# Altium PCB MatrixLantern.PcbDoc (part 1 of 2) (continued)
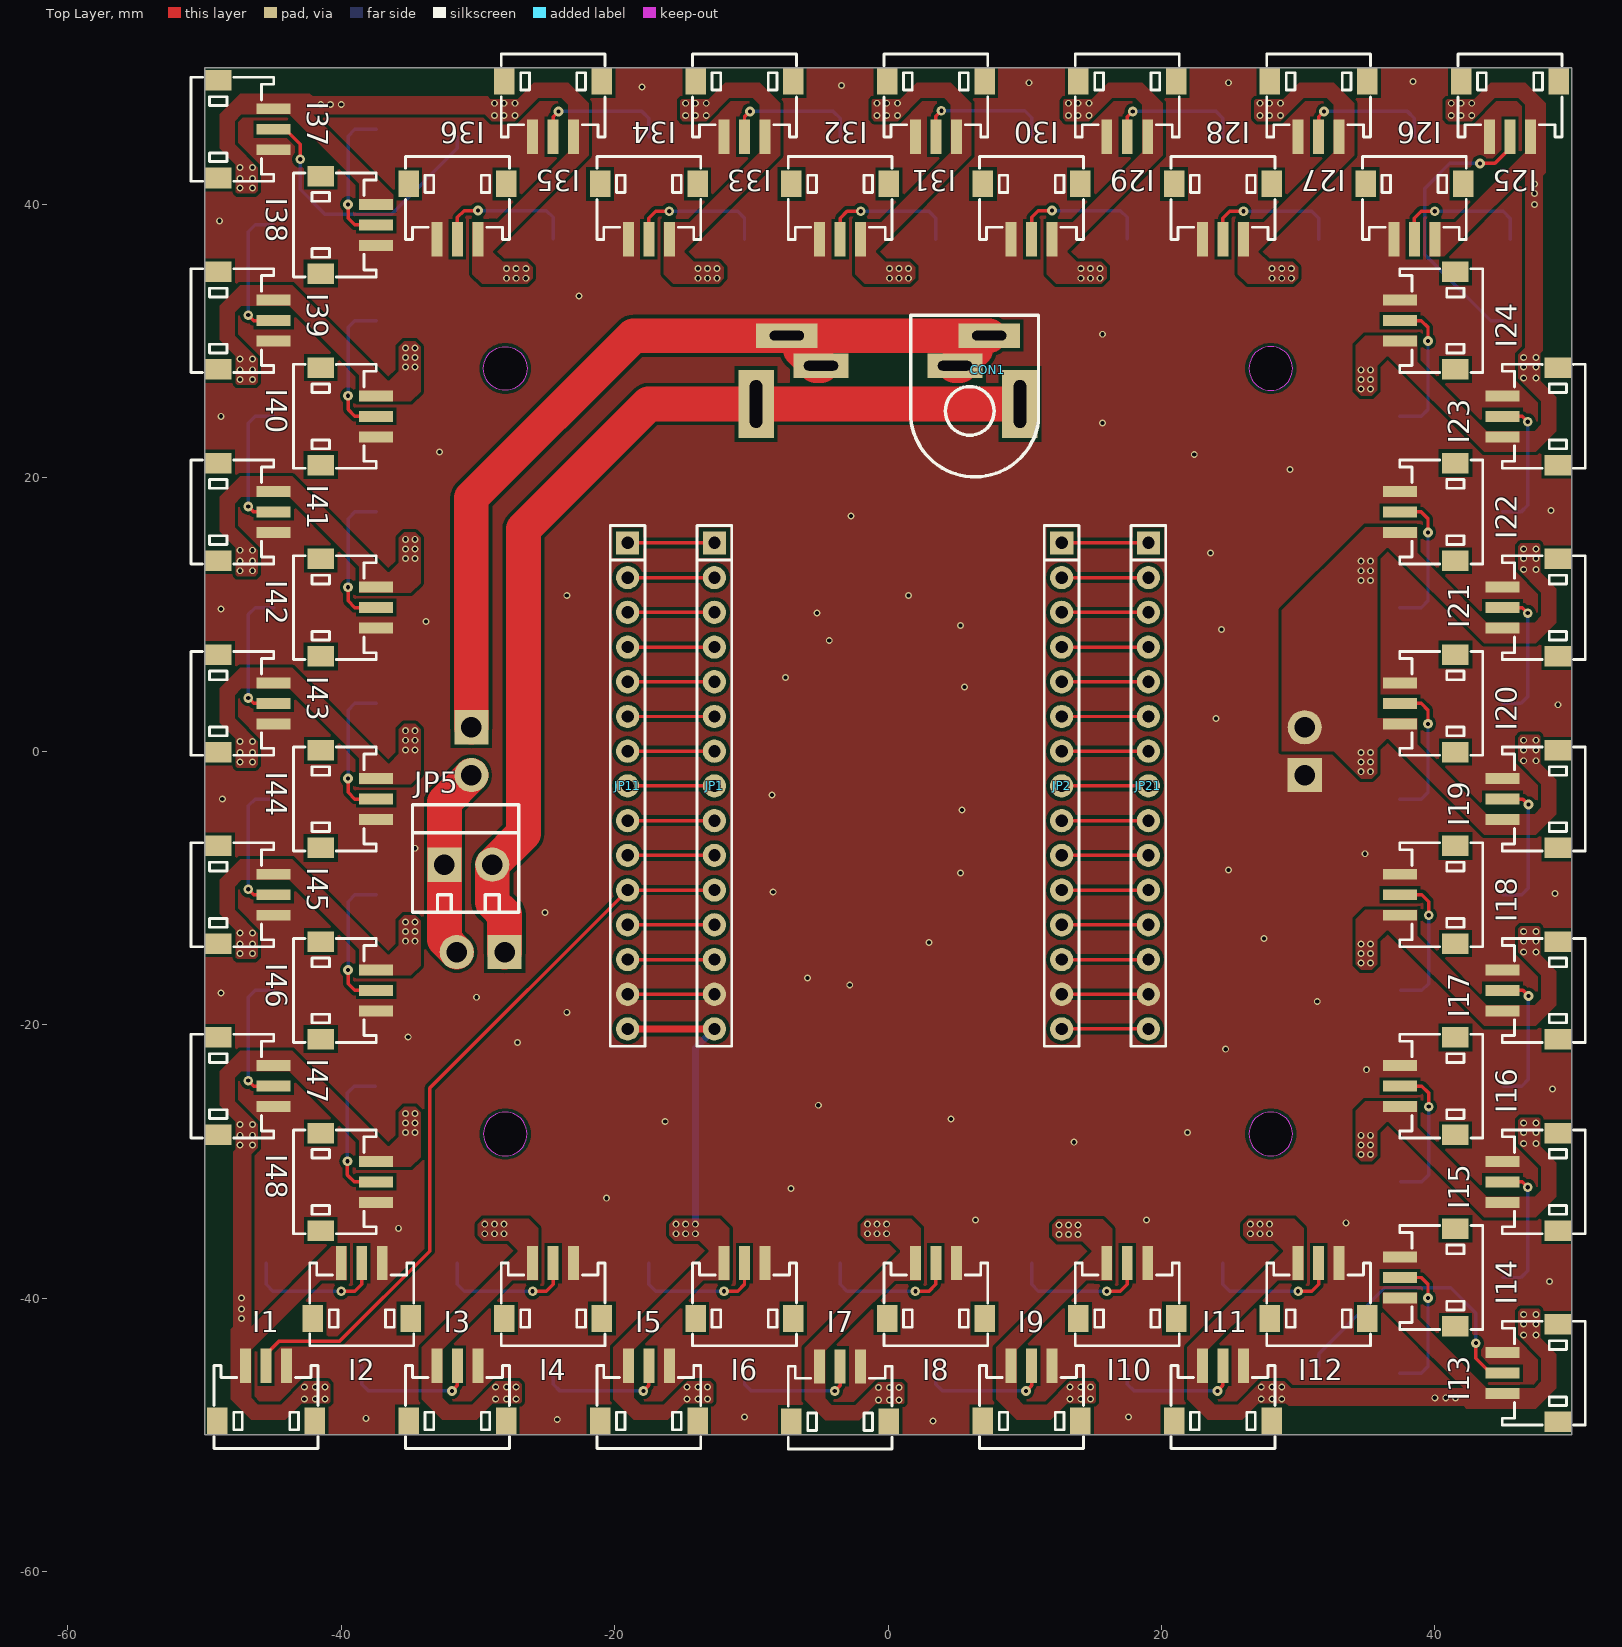
[diagram p0: Top Layer view]
## Nets (pads, with @x,y where several pads share a name; then routed paths per layer and width w, separated by ;. In a path a pad name is that pad's centre, name@x,y a point inside that pad or via, vN(x,y) a via of type N, cw(c..) or ccw(c..) an arc to the next point about the centre after c; other vN are vias at no path point) (continued)
  Bottom Layer w0.254: v2(-46.8,-10.1) -46.8,-4 -46.3,-3.5 O44.2@-44.95,-3.5
IN46: I46.2 O45.2 | length 10.5
  Top Layer w0.254: v2(-39.5,-16) -39.5,-17 -39,-17.5 I46.2@-37.45,-17.5
  Bottom Layer w0.254: v2(-39.5,-16) -39.5,-11 -39,-10.5 O45.2@-37.45,-10.5
IN47: I47.2 O46.2 | length 10.2
  Top Layer w0.254: v2(-46.8,-24.1) -46.4,-24.5 I47.2@-44.95,-24.5
  Bottom Layer w0.254: v2(-46.8,-24.1) -46.8,-18 -46.3,-17.5 O46.2@-44.95,-17.5
IN48: I48.2 O47.2 | length 10.5
  Top Layer w0.254: v2(-39.55,-30) -39.55,-31 -39.05,-31.5 I48.2@-37.5,-31.5
  Bottom Layer w0.254: v2(-39.55,-30) -39.55,-25 -39.05,-24.5 O47.2@-37.5,-24.5
NetJP1_1: JP1.1 JP11.1 | length 6.3
  Top Layer w0.254: JP11.1@-19.05,15.24 JP1.1@-12.7,15.24
NetJP1_2: JP1.2 JP11.2 | length 6.3
  Top Layer w0.254: JP11.2@-19.05,12.7 JP1.2@-12.7,12.7
NetJP1_3: JP1.3 JP11.3 | length 6.3
  Top Layer w0.254: JP11.3@-19.05,10.16 JP1.3@-12.7,10.16
NetJP1_4: JP1.4 JP11.4 | length 6.3
  Top Layer w0.254: JP11.4@-19.05,7.62 JP1.4@-12.7,7.62
NetJP1_5: JP1.5 JP11.5 | length 6.3
  Top Layer w0.254: JP11.5@-19.05,5.08 JP1.5@-12.7,5.08
NetJP1_6: JP1.6 JP11.6 | length 6.3
  Top Layer w0.254: JP11.6@-19.05,2.54 JP1.6@-12.7,2.54
NetJP1_7: JP1.7 JP11.7 | length 6.3
  Top Layer w0.254: JP11.7@-19.05,0 JP1.7@-12.7,0
NetJP1_8: JP1.8 JP11.8 | length 6.3
  Top Layer w0.254: JP11.8@-19.05,-2.54 JP1.8@-12.7,-2.54
NetJP1_9: JP1.9 JP11.9 | length 6.3
  Top Layer w0.254: JP11.9@-19.05,-5.08 JP1.9@-12.7,-5.08
NetJP1_10: JP1.10 JP11.10 | length 6.3
  Top Layer w0.254: JP11.10@-19.05,-7.62 JP1.10@-12.7,-7.62
NetJP1_12: JP1.12 JP11.12 | length 6.3
  Top Layer w0.254: JP11.12@-19.05,-12.7 JP1.12@-12.7,-12.7
NetJP1_13: JP1.13 JP11.13 | length 6.3
  Top Layer w0.254: JP11.13@-19.05,-15.24 JP1.13@-12.7,-15.24
NetJP2_1: JP2.1 JP21.1 | length 6.3
  Top Layer w0.254: JP2.1@12.7,15.24 JP21.1@19.05,15.24
NetJP2_2: JP2.2 JP21.2 | length 6.3
  Top Layer w0.254: JP2.2@12.7,12.7 JP21.2@19.05,12.7
NetJP2_3: JP2.3 JP21.3 | length 6.3
  Top Layer w0.254: JP2.3@12.7,10.16 JP21.3@19.05,10.16
NetJP2_4: JP2.4 JP21.4 | length 6.3
  Top Layer w0.254: JP2.4@12.7,7.62 JP21.4@19.05,7.62
NetJP2_5: JP2.5 JP21.5 | length 6.3
  Top Layer w0.254: JP2.5@12.7,5.08 JP21.5@19.05,5.08
NetJP2_6: JP2.6 JP21.6 | length 6.3
  Top Layer w0.254: JP2.6@12.7,2.54 JP21.6@19.05,2.54
NetJP2_7: JP2.7 JP21.7 | length 6.3
  Top Layer w0.254: JP2.7@12.7,0 JP21.7@19.05,0
NetJP2_8: JP2.8 JP21.8 | length 6.3
  Top Layer w0.254: JP2.8@12.7,-2.54 JP21.8@19.05,-2.54
NetJP2_9: JP2.9 JP21.9 | length 6.3
  Top Layer w0.254: JP2.9@12.7,-5.08 JP21.9@19.05,-5.08
NetJP2_10: JP2.10 JP21.10 | length 6.3
  Top Layer w0.254: JP2.10@12.7,-7.62 JP21.10@19.05,-7.62
NetJP2_11: JP2.11 JP21.11 | length 6.3
  Top Layer w0.254: JP2.11@12.7,-10.16 JP21.11@19.05,-10.16
NetJP2_12: JP2.12 JP21.12 | length 6.3
  Top Layer w0.254: JP2.12@12.7,-12.7 JP21.12@19.05,-12.7
NetJP2_13: JP2.13 JP21.13 | length 6.3
  Top Layer w0.254: JP2.13@12.7,-15.24 JP21.13@19.05,-15.24
NetJP2_15: JP2.15 JP21.15 | length 6.3
  Top Layer w0.254: JP2.15@12.7,-20.32 JP21.15@19.05,-20.32
NetJP3_2: JP3.2 JP5.1 JP6.2 | length 14.1
  Top Layer w2.54: JP6.2@-31.55,-14.7 -32.45,-13.8 JP5.1@-32.45,-8.3 -32.45,-3.72 JP3.2@-30.48,-1.75
Vin: I1.1 I2.1 I3.1 I4.1 I5.1 I6.1 I7.1 I8.1 I9.1 I10.1 I11.1 I12.1 I13.1 I14.1 I15.1 I16.1 I17.1 I18.1 I19.1 I20.1 I21.1 I22.1 I23.1 I24.1 I25.1 I26.1 I27.1 I28.1 I29.1 I30.1 I31.1 I32.1 I33.1 I34.1 I35.1 I36.1 I37.1 I38.1 I39.1 I40.1 I41.1 I42.1 I43.1 I44.1 I45.1 I46.1 I47.1 I48.1 JP1.15 JP4.2 JP11.15 O1.3 O2.3 O3.3 O4.3 O5.3 O6.3 O7.3 O8.3 O9.3 O10.3 O11.3 O12.3 O13.3 O14.3 O15.3 O16.3 O17.3 O18.3 O19.3 O20.3 O21.3 O22.3 O23.3 O24.3 O25.3 O26.3 O27.3 O28.3 O29.3 O30.3 O31.3 O32.3 O33.3 O34.3 O35.3 O36.3 O37.3 O38.3 O39.3 O40.3 O41.3 O42.3 O43.3 O44.3 O45.3 O46.3 O47.3 O48.3 | length 21.2
  Top Layer w0.508: JP11.15@-19.05,-20.32 JP1.15@-12.7,-20.32
  Bottom Layer w0.508: v1(-14.1,-34.6) -14.1,-21.72 JP1.15@-12.7,-20.32
  other v1: -0.7,-47.45 0.1,-47.45 0.8,-47.45 -42.7,-47.4 -41.9,-47.4 -41.2,-47.4 -28.7,-47.4 -27.9,-47.4 -27.2,-47.4 -14.7,-47.4 -13.9,-47.4 -13.2,-47.4 13.3,-47.4 14.1,-47.4 14.8,-47.4 27.3,-47.4 28.1,-47.4 28.8,-47.4 40,-47.3 40.8,-47.3 41.5,-47.3 -0.7,-46.55 0.1,-46.55 0.8,-46.55 -42.7,-46.5 -41.9,-46.5 -41.2,-46.5 -28.7,-46.5 -27.9,-46.5 -27.2,-46.5 -14.7,-46.5 -13.9,-46.5 -13.2,-46.5 13.3,-46.5 14.1,-46.5 14.8,-46.5 27.3,-46.5 28.1,-46.5 28.8,-46.5 46.5,-42.7 47.4,-42.7 46.5,-41.9 47.4,-41.9 -47.3,-41.5 46.5,-41.2 47.4,-41.2 -47.3,-40.8 -47.3,-40 12.5,-35.35 13.2,-35.35 13.9,-35.35 -29.5,-35.3 -28.8,-35.3 -28.1,-35.3 -15.5,-35.3 -14.8,-35.3 -14.1,-35.3 -1.5,-35.3 -0.8,-35.3 -0.1,-35.3 26.5,-35.3 27.2,-35.3 27.9,-35.3 12.5,-34.65 13.2,-34.65 13.9,-34.65 -29.5,-34.6 -28.8,-34.6 -28.1,-34.6 -15.5,-34.6 -14.8,-34.6 -1.5,-34.6 -0.8,-34.6 -0.1,-34.6 26.5,-34.6 27.2,-34.6 27.9,-34.6 34.6,-29.5 35.3,-29.5 -47.4,-28.8 -46.5,-28.8 34.6,-28.8 35.3,-28.8 46.5,-28.7 47.4,-28.7 -47.4,-28.1 -46.5,-28.1 34.6,-28.1 35.3,-28.1 -35.3,-27.9 -34.6,-27.9 46.5,-27.9 47.4,-27.9 -47.4,-27.3 -46.5,-27.3 -35.3,-27.2 -34.6,-27.2 46.5,-27.2 47.4,-27.2 -35.3,-26.5 -34.6,-26.5 34.6,-15.5 35.3,-15.5 -47.4,-14.8 -46.5,-14.8 34.6,-14.8 35.3,-14.8 46.5,-14.7 47.4,-14.7 -47.4,-14.1 -46.5,-14.1 34.6,-14.1 35.3,-14.1 -35.3,-13.9 -34.6,-13.9 46.5,-13.9 47.4,-13.9 -47.4,-13.3 -46.5,-13.3 -35.3,-13.2 -34.6,-13.2 46.5,-13.2 47.4,-13.2 -35.3,-12.5 -34.6,-12.5 34.6,-1.5 35.3,-1.5 -47.4,-0.8 -46.5,-0.8 34.6,-0.8 35.3,-0.8 46.5,-0.7 47.4,-0.7 -47.4,-0.1 -46.5,-0.1 34.6,-0.1 35.3,-0.1 -35.3,0.1 -34.6,0.1 46.5,0.1 47.4,0.1 -47.4,0.7 -46.5,0.7 -35.3,0.8 -34.6,0.8 46.5,0.8 47.4,0.8 -35.3,1.5 -34.6,1.5 34.6,12.5 35.3,12.5 -47.4,13.2 -46.5,13.2 34.6,13.2 35.3,13.2 46.5,13.3 47.4,13.3 -47.4,13.9 -46.5,13.9 34.6,13.9 35.3,13.9 -35.3,14.1 -34.6,14.1 46.5,14.1 47.4,14.1 -47.4,14.7 -46.5,14.7 -35.3,14.8 -34.6,14.8 46.5,14.8 47.4,14.8 -35.3,15.5 -34.6,15.5 34.6,26.5 35.3,26.5 -47.4,27.2 -46.5,27.2 34.6,27.2 35.3,27.2 46.5,27.3 47.4,27.3 -47.4,27.9 -46.5,27.9 34.6,27.9 35.3,27.9 -35.3,28.1 -34.6,28.1 46.5,28.1 47.4,28.1 -47.4,28.7 -46.5,28.7 -35.3,28.8 -34.6,28.8 46.5,28.8 47.4,28.8 -35.3,29.5 -34.6,29.5 -27.9,34.6 -27.2,34.6 -26.5,34.6 -13.9,34.6 -13.2,34.6 -12.5,34.6 0.1,34.6 0.8,34.6 1.5,34.6 14.1,34.6 14.8,34.6 15.5,34.6 28.1,34.6 28.8,34.6 29.5,34.6 -27.9,35.3 -27.2,35.3 -26.5,35.3 -13.9,35.3 -13.2,35.3 -12.5,35.3 0.1,35.3 0.8,35.3 1.5,35.3 14.1,35.3 14.8,35.3 15.5,35.3 28.1,35.3 28.8,35.3 29.5,35.3 47.3,40 47.3,40.8 -47.4,41.2 -46.5,41.2 47.3,41.5 -47.4,41.9 -46.5,41.9 -47.4,42.7 -46.5,42.7 -28.8,46.5 -28.1,46.5 -27.3,46.5 -14.8,46.5 -14.1,46.5 -13.3,46.5 -0.8,46.5 -0.1,46.5 0.7,46.5 13.2,46.5 13.9,46.5 14.7,46.5 27.2,46.5 27.9,46.5 28.7,46.5 41.2,46.5 41.9,46.5 42.7,46.5 -41.5,47.3 -40.8,47.3 -40,47.3 -28.8,47.4 -28.1,47.4 -27.3,47.4 -14.8,47.4 -14.1,47.4 -13.3,47.4 -0.8,47.4 -0.1,47.4 0.7,47.4 13.2,47.4 13.9,47.4 14.7,47.4 27.2,47.4 27.9,47.4 28.7,47.4 41.2,47.4 41.9,47.4 42.7,47.4
pads on no net: I1.0 I2.0 I3.0 I4.0 I5.0 I6.0 I7.0 I8.0 I9.0 I10.0 I11.0 I12.0 I13.0 I14.0 I15.0 I16.0 I17.0 I18.0 I19.0 I20.0 I21.0 I22.0 I23.0 I24.0 I25.0 I26.0 I27.0 I28.0 I29.0 I30.0 I31.0 I32.0 I33.0 I34.0 I35.0 I36.0 I37.0 I38.0 I39.0 I40.0 I41.0 I42.0 I43.0 I44.0 I45.0 I46.0 I47.0 I48.0 O1.0 O2.0 O3.0 O4.0 O5.0 O6.0 O7.0 O8.0 O9.0 O10.0 O11.0 O12.0 O13.0 O14.0 O15.0 O16.0 O17.0 O18.0 O19.0 O20.0 O21.0 O22.0 O23.0 O24.0 O25.0 O26.0 O27.0 O28.0 O29.0 O30.0 O31.0 O32.0 O33.0 O34.0 O35.0 O36.0 O37.0 O38.0 O39.0 O40.0 O41.0 O42.0 O43.0 O44.0 O45.0 O46.0 O47.0 O48.0 O48.2

## Polygon pours and split planes (outlines as drawn)
GND on Top Layer "GND_L01_P805" (solid, remove dead copper, pour order 805): -50,-50 -50,50 50,50 50,-50
Vin on Top Layer "Top Layer-Vin 76" (solid, pour order 803): 28.8,0 28.8,10.3 34.9,16.4 35.8,15.5 35.8,-1.6 35.4,-2 34.6,-2 32.6,0
Vin on Top Layer "Top Layer-Vin 50" (solid, pour order 600): 36.2,2.4 36.2,1.3 43.6,-6.1 46.2,-6.1 46.2,-4.6 43.8,-4.6 38.7,0.5 38.7,2.4
Vin on Top Layer "Top Layer-Vin 53" (solid, pour order 586): 38.7,2.4 34.9,2.4 34.2,1.7 34.2,-1.6 34.6,-2 35.4,-2 35.8,-1.6 35.8,0.2 36.5,0.9 38.4,0.9 38.7,1.2
Vin on Top Layer "Top Layer-Vin" (solid, pour order 598): 38.7,16.4 34.9,16.4 34.2,15.7 34.2,12.4 34.6,12 35.4,12 35.8,12.4 35.8,14.2 36.5,14.9 38.4,14.9 38.7,15.2
Vin on Top Layer "Top Layer-Vin 1" (solid, pour order 798): -46.2,-29.1 -46.6,-29.5 -46.6,-39.7 -47.9,-39.7 -47.9,-29.3 -47.7,-29.1
Vin on Top Layer "Top Layer-Vin 2" (solid, pour order 796): -29.1,46.2 -29.5,46.6 -39.7,46.6 -39.7,47.9 -29.3,47.9 -29.1,47.7
Vin on Top Layer "Top Layer-Vin 3" (solid, pour order 794): 46.2,29.1 46.6,29.5 46.6,39.7 47.9,39.7 47.9,29.3 47.7,29.1
Vin on Top Layer "Top Layer-Vin 4" (solid, pour order 792): 29.1,-46.2 29.5,-46.6 39.7,-46.6 39.7,-47.9 29.3,-47.9 29.1,-47.7
Vin on Top Layer "Top Layer-Vin 5" (solid, pour order 786): -43.7,-23.4 -47.3,-23.4 -47.8,-23.9 -47.8,-25.6 -46.1,-27.3 -46.1,-29 -46.3,-29.2 -47.6,-29.2 -47.7,-29.1 -47.7,-27.1 -48.9,-25.9 -48.9,-23.4 -47.4,-21.9 -43.7,-21.9 -43.7,-22.6
Vin on Top Layer "Top Layer-Vin 6" (solid, pour order 784): -36.2,-30.4 -36.2,-29.3 -43.6,-21.9 -46.2,-21.9 -46.2,-23.4 -43.8,-23.4 -38.7,-28.5 -38.7,-30.4
Vin on Top Layer "Top Layer-Vin 7" (solid, pour order 780): -23.4,43.7 -23.4,47.3 -23.9,47.8 -25.6,47.8 -27.3,46.1 -29,46.1 -29.2,46.3 -29.2,47.6 -29.1,47.7 -27.1,47.7 -25.9,48.9 -23.4,48.9 -21.9,47.4 -21.9,43.7 -22.6,43.7
Vin on Top Layer "Top Layer-Vin 8" (solid, pour order 778): -30.4,36.2 -29.3,36.2 -21.9,43.6 -21.9,46.2 -23.4,46.2 -23.4,43.8 -28.5,38.7 -30.4,38.7
Vin on Top Layer "Top Layer-Vin 9" (solid, pour order 774): 43.7,23.4 47.3,23.4 47.8,23.9 47.8,25.6 46.1,27.3 46.1,29 46.3,29.2 47.6,29.2 47.7,29.1 47.7,27.1 48.9,25.9 48.9,23.4 47.4,21.9 43.7,21.9 43.7,22.6
Vin on Top Layer "Top Layer-Vin 10" (solid, pour order 772): 36.2,30.4 36.2,29.3 43.6,21.9 46.2,21.9 46.2,23.4 43.8,23.4 38.7,28.5 38.7,30.4
Vin on Top Layer "Top Layer-Vin 11" (solid, pour order 768): 23.4,-43.7 23.4,-47.3 23.9,-47.8 25.6,-47.8 27.3,-46.1 29,-46.1 29.2,-46.3 29.2,-47.6 29.1,-47.7 27.1,-47.7 25.9,-48.9 23.4,-48.9 21.9,-47.4 21.9,-43.7 22.6,-43.7
Vin on Top Layer "Top Layer-Vin 12" (solid, pour order 766): 30.4,-36.2 29.3,-36.2 21.9,-43.6 21.9,-46.2 23.4,-46.2 23.4,-43.8 28.5,-38.7 30.4,-38.7
Vin on Top Layer "Top Layer-Vin 13" (solid, pour order 756): -42.3,48.1 -42.1,47.9 -41.9,47.9 -39.7,47.9 -39.5,47.7 -39.5,46.8 -39.7,46.6 -43.7,46.6 -43.7,48.1
Vin on Top Layer "Top Layer-Vin 14" (solid, pour order 752): 48.1,42.3 47.9,42.1 47.9,41.9 47.9,39.7 47.7,39.5 46.8,39.5 46.6,39.7 46.6,43.7 48.1,43.7
Vin on Top Layer "Top Layer-Vin 15" (solid, pour order 748): 42.3,-48.1 42.1,-47.9 41.9,-47.9 39.7,-47.9 39.5,-47.7 39.5,-46.8 39.7,-46.6 43.7,-46.6 43.7,-48.1
Vin on Top Layer "Top Layer-Vin 16" (solid, pour order 744): -48.1,-42.3 -47.9,-42.1 -47.9,-41.9 -47.9,-39.7 -47.7,-39.5 -46.8,-39.5 -46.6,-39.7 -46.6,-43.7 -48.1,-43.7
Vin on Top Layer "Top Layer-Vin 17" (solid, pour order 732): -36.2,-16.4 -36.2,-15.3 -43.6,-7.9 -46.2,-7.9 -46.2,-9.4 -43.8,-9.4 -38.7,-14.5 -38.7,-16.4
Vin on Top Layer "Top Layer-Vin 18" (solid, pour order 730): -38.7,-30.4 -34.9,-30.4 -34.2,-29.7 -34.2,-26.4 -34.6,-26 -35.4,-26 -35.8,-26.4 -35.8,-28.2 -36.5,-28.9 -38.4,-28.9 -38.7,-29.2
Vin on Top Layer "Top Layer-Vin 19" (solid, pour order 728): -43.7,-9.4 -47.3,-9.4 -47.8,-9.9 -47.8,-11.6 -46.1,-13.3 -46.1,-15 -46.3,-15.2 -47.6,-15.2 -47.7,-15.1 -47.7,-13.1 -48.9,-11.9 -48.9,-9.4 -47.4,-7.9 -43.7,-7.9 -43.7,-8.6
Vin on Top Layer "Top Layer-Vin 20" (solid, pour order 720): -36.2,-2.4 -36.2,-1.3 -43.6,6.1 -46.2,6.1 -46.2,4.6 -43.8,4.6 -38.7,-0.5 -38.7,-2.4
Vin on Top Layer "Top Layer-Vin 21" (solid, pour order 718): -38.7,-16.4 -34.9,-16.4 -34.2,-15.7 -34.2,-12.4 -34.6,-12 -35.4,-12 -35.8,-12.4 -35.8,-14.2 -36.5,-14.9 -38.4,-14.9 -38.7,-15.2
Vin on Top Layer "Top Layer-Vin 22" (solid, pour order 716): -43.7,4.6 -47.3,4.6 -47.8,4.1 -47.8,2.4 -46.1,0.7 -46.1,-1 -46.3,-1.2 -47.6,-1.2 -47.7,-1.1 -47.7,0.9 -48.9,2.1 -48.9,4.6 -47.4,6.1 -43.7,6.1 -43.7,5.4
Vin on Top Layer "Top Layer-Vin 23" (solid, pour order 708): -36.2,11.6 -36.2,12.7 -43.6,20.1 -46.2,20.1 -46.2,18.6 -43.8,18.6 -38.7,13.5 -38.7,11.6
Vin on Top Layer "Top Layer-Vin 24" (solid, pour order 706): -38.7,-2.4 -34.9,-2.4 -34.2,-1.7 -34.2,1.6 -34.6,2 -35.4,2 -35.8,1.6 -35.8,-0.2 -36.5,-0.9 -38.4,-0.9 -38.7,-1.2
Vin on Top Layer "Top Layer-Vin 25" (solid, pour order 704): -43.7,18.6 -47.3,18.6 -47.8,18.1 -47.8,16.4 -46.1,14.7 -46.1,13 -46.3,12.8 -47.6,12.8 -47.7,12.9 -47.7,14.9 -48.9,16.1 -48.9,18.6 -47.4,20.1 -43.7,20.1 -43.7,19.4
Vin on Top Layer "Top Layer-Vin 26" (solid, pour order 696): -36.2,25.6 -36.2,26.7 -43.6,34.1 -46.2,34.1 -46.2,32.6 -43.8,32.6 -38.7,27.5 -38.7,25.6
Vin on Top Layer "Top Layer-Vin 27" (solid, pour order 694): -38.7,11.6 -34.9,11.6 -34.2,12.3 -34.2,15.6 -34.6,16 -35.4,16 -35.8,15.6 -35.8,13.8 -36.5,13.1 -38.4,13.1 -38.7,12.8
Vin on Top Layer "Top Layer-Vin 28" (solid, pour order 692): -43.7,32.6 -47.3,32.6 -47.8,32.1 -47.8,30.4 -46.1,28.7 -46.1,27 -46.3,26.8 -47.6,26.8 -47.7,26.9 -47.7,28.9 -48.9,30.1 -48.9,32.6 -47.4,34.1 -43.7,34.1 -43.7,33.4
Vin on Top Layer "Top Layer-Vin 29" (solid, pour order 684): -36.2,39.6 -36.2,40.7 -43.6,48.1 -46.2,48.1 -46.2,46.6 -43.8,46.6 -38.7,41.5 -38.7,39.6
Vin on Top Layer "Top Layer-Vin 30" (solid, pour order 682): -38.7,25.6 -34.9,25.6 -34.2,26.3 -34.2,29.6 -34.6,30 -35.4,30 -35.8,29.6 -35.8,27.8 -36.5,27.1 -38.4,27.1 -38.7,26.8
Vin on Top Layer "Top Layer-Vin 31" (solid, pour order 680): -43.7,46.6 -47.3,46.6 -47.8,46.1 -47.8,44.4 -46.1,42.7 -46.1,41 -46.3,40.8 -47.6,40.8 -47.7,40.9 -47.7,42.9 -48.9,44.1 -48.9,46.6 -47.4,48.1 -43.7,48.1 -43.7,47.4
Vin on Top Layer "Top Layer-Vin 32" (solid, pour order 672): -16.4,36.2 -15.3,36.2 -7.9,43.6 -7.9,46.2 -9.4,46.2 -9.4,43.8 -14.5,38.7 -16.4,38.7
Vin on Top Layer "Top Layer-Vin 33" (solid, pour order 670): -30.4,38.7 -30.4,34.9 -29.7,34.2 -26.4,34.2 -26,34.6 -26,35.4 -26.4,35.8 -28.2,35.8 -28.9,36.5 -28.9,38.4 -29.2,38.7
Vin on Top Layer "Top Layer-Vin 34" (solid, pour order 668): -9.4,43.7 -9.4,47.3 -9.9,47.8 -11.6,47.8 -13.3,46.1 -15,46.1 -15.2,46.3 -15.2,47.6 -15.1,47.7 -13.1,47.7 -11.9,48.9 -9.4,48.9 -7.9,47.4 -7.9,43.7 -8.6,43.7
Vin on Top Layer "Top Layer-Vin 35" (solid, pour order 660): -2.4,36.2 -1.3,36.2 6.1,43.6 6.1,46.2 4.6,46.2 4.6,43.8 -0.5,38.7 -2.4,38.7
Vin on Top Layer "Top Layer-Vin 36" (solid, pour order 658): -16.4,38.7 -16.4,34.9 -15.7,34.2 -12.4,34.2 -12,34.6 -12,35.4 -12.4,35.8 -14.2,35.8 -14.9,36.5 -14.9,38.4 -15.2,38.7
Vin on Top Layer "Top Layer-Vin 37" (solid, pour order 656): 4.6,43.7 4.6,47.3 4.1,47.8 2.4,47.8 0.7,46.1 -1,46.1 -1.2,46.3 -1.2,47.6 -1.1,47.7 0.9,47.7 2.1,48.9 4.6,48.9 6.1,47.4 6.1,43.7 5.4,43.7
Vin on Top Layer "Top Layer-Vin 38" (solid, pour order 648): 11.6,36.2 12.7,36.2 20.1,43.6 20.1,46.2 18.6,46.2 18.6,43.8 13.5,38.7 11.6,38.7
Vin on Top Layer "Top Layer-Vin 39" (solid, pour order 646): -2.4,38.7 -2.4,34.9 -1.7,34.2 1.6,34.2 2,34.6 2,35.4 1.6,35.8 -0.2,35.8 -0.9,36.5 -0.9,38.4 -1.2,38.7
Vin on Top Layer "Top Layer-Vin 40" (solid, pour order 644): 18.6,43.7 18.6,47.3 18.1,47.8 16.4,47.8 14.7,46.1 13,46.1 12.8,46.3 12.8,47.6 12.9,47.7 14.9,47.7 16.1,48.9 18.6,48.9 20.1,47.4 20.1,43.7 19.4,43.7
Vin on Top Layer "Top Layer-Vin 41" (solid, pour order 636): 25.6,36.2 26.7,36.2 34.1,43.6 34.1,46.2 32.6,46.2 32.6,43.8 27.5,38.7 25.6,38.7
Vin on Top Layer "Top Layer-Vin 42" (solid, pour order 634): 11.6,38.7 11.6,34.9 12.3,34.2 15.6,34.2 16,34.6 16,35.4 15.6,35.8 13.8,35.8 13.1,36.5 13.1,38.4 12.8,38.7
Vin on Top Layer "Top Layer-Vin 43" (solid, pour order 632): 32.6,43.7 32.6,47.3 32.1,47.8 30.4,47.8 28.7,46.1 27,46.1 26.8,46.3 26.8,47.6 26.9,47.7 28.9,47.7 30.1,48.9 32.6,48.9 34.1,47.4 34.1,43.7 33.4,43.7
Vin on Top Layer "Top Layer-Vin 44" (solid, pour order 624): 39.6,36.2 40.7,36.2 48.1,43.6 48.1,46.2 46.6,46.2 46.6,43.8 41.5,38.7 39.6,38.7
Vin on Top Layer "Top Layer-Vin 45" (solid, pour order 622): 25.6,38.7 25.6,34.9 26.3,34.2 29.6,34.2 30,34.6 30,35.4 29.6,35.8 27.8,35.8 27.1,36.5 27.1,38.4 26.8,38.7
Vin on Top Layer "Top Layer-Vin 46" (solid, pour order 620): 46.6,43.7 46.6,47.3 46.1,47.8 44.4,47.8 42.7,46.1 41,46.1 40.8,46.3 40.8,47.6 40.9,47.7 42.9,47.7 44.1,48.9 46.6,48.9 48.1,47.4 48.1,43.7 47.4,43.7
Vin on Top Layer "Top Layer-Vin 47" (solid, pour order 612): 36.2,16.4 36.2,15.3 43.6,7.9 46.2,7.9 46.2,9.4 43.8,9.4 38.7,14.5 38.7,16.4
Vin on Top Layer "Top Layer-Vin 48" (solid, pour order 610): 38.7,30.4 34.9,30.4 34.2,29.7 34.2,26.4 34.6,26 35.4,26 35.8,26.4 35.8,28.2 36.5,28.9 38.4,28.9 38.7,29.2
Vin on Top Layer "Top Layer-Vin 49" (solid, pour order 608): 43.7,9.4 47.3,9.4 47.8,9.9 47.8,11.6 46.1,13.3 46.1,15 46.3,15.2 47.6,15.2 47.7,15.1 47.7,13.1 48.9,11.9 48.9,9.4 47.4,7.9 43.7,7.9 43.7,8.6
Vin on Top Layer "Top Layer-Vin 51" (solid, pour order 596): 43.7,-4.6 47.3,-4.6 47.8,-4.1 47.8,-2.4 46.1,-0.7 46.1,1 46.3,1.2 47.6,1.2 47.7,1.1 47.7,-0.9 48.9,-2.1 48.9,-4.6 47.4,-6.1 43.7,-6.1 43.7,-5.4
Vin on Top Layer "Top Layer-Vin 52" (solid, pour order 588): 36.2,-11.6 36.2,-12.7 43.6,-20.1 46.2,-20.1 46.2,-18.6 43.8,-18.6 38.7,-13.5 38.7,-11.6
Vin on Top Layer "Top Layer-Vin 54" (solid, pour order 584): 43.7,-18.6 47.3,-18.6 47.8,-18.1 47.8,-16.4 46.1,-14.7 46.1,-13 46.3,-12.8 47.6,-12.8 47.7,-12.9 47.7,-14.9 48.9,-16.1 48.9,-18.6 47.4,-20.1 43.7,-20.1 43.7,-19.4
Vin on Top Layer "Top Layer-Vin 55" (solid, pour order 576): 36.2,-25.6 36.2,-26.7 43.6,-34.1 46.2,-34.1 46.2,-32.6 43.8,-32.6 38.7,-27.5 38.7,-25.6
Vin on Top Layer "Top Layer-Vin 56" (solid, pour order 574): 38.7,-11.6 34.9,-11.6 34.2,-12.3 34.2,-15.6 34.6,-16 35.4,-16 35.8,-15.6 35.8,-13.8 36.5,-13.1 38.4,-13.1 38.7,-12.8
Vin on Top Layer "Top Layer-Vin 57" (solid, pour order 572): 43.7,-32.6 47.3,-32.6 47.8,-32.1 47.8,-30.4 46.1,-28.7 46.1,-27 46.3,-26.8 47.6,-26.8 47.7,-26.9 47.7,-28.9 48.9,-30.1 48.9,-32.6 47.4,-34.1 43.7,-34.1 43.7,-33.4
Vin on Top Layer "Top Layer-Vin 58" (solid, pour order 504): 36.2,-39.6 36.2,-40.7 43.6,-48.1 46.2,-48.1 46.2,-46.6 43.8,-46.6 38.7,-41.5 38.7,-39.6
Vin on Top Layer "Top Layer-Vin 59" (solid, pour order 502): 38.7,-25.6 34.9,-25.6 34.2,-26.3 34.2,-29.6 34.6,-30 35.4,-30 35.8,-29.6 35.8,-27.8 36.5,-27.1 38.4,-27.1 38.7,-26.8
Vin on Top Layer "Top Layer-Vin 60" (solid, pour order 500): 43.7,-46.6 47.3,-46.6 47.8,-46.1 47.8,-44.4 46.1,-42.7 46.1,-41 46.3,-40.8 47.6,-40.8 47.7,-40.9 47.7,-42.9 48.9,-44.1 48.9,-46.6 47.4,-48.1 43.7,-48.1 43.7,-47.4
Vin on Top Layer "Top Layer-Vin 61" (solid, pour order 492): 16.4,-36.2 15.3,-36.2 7.9,-43.6 7.9,-46.2 9.4,-46.2 9.4,-43.8 14.5,-38.7 16.4,-38.7
Vin on Top Layer "Top Layer-Vin 62" (solid, pour order 490): 30.4,-38.7 30.4,-34.9 29.7,-34.2 26.4,-34.2 26,-34.6 26,-35.4 26.4,-35.8 28.2,-35.8 28.9,-36.5 28.9,-38.4 29.2,-38.7
Vin on Top Layer "Top Layer-Vin 63" (solid, pour order 488): 9.4,-43.7 9.4,-47.3 9.9,-47.8 11.6,-47.8 13.3,-46.1 15,-46.1 15.2,-46.3 15.2,-47.6 15.1,-47.7 13.1,-47.7 11.9,-48.9 9.4,-48.9 7.9,-47.4 7.9,-43.7 8.6,-43.7
Vin on Top Layer "Top Layer-Vin 64" (solid, pour order 480): 2.4,-36.25 1.3,-36.25 -6.1,-43.65 -6.1,-46.25 -4.6,-46.25 -4.6,-43.85 0.5,-38.75 2.4,-38.75
Vin on Top Layer "Top Layer-Vin 65" (solid, pour order 478): 16.4,-38.75 16.4,-34.95 15.7,-34.25 12.4,-34.25 12,-34.65 12,-35.45 12.4,-35.85 14.2,-35.85 14.9,-36.55 14.9,-38.45 15.2,-38.75
Vin on Top Layer "Top Layer-Vin 66" (solid, pour order 476): -4.6,-43.75 -4.6,-47.35 -4.1,-47.85 -2.4,-47.85 -0.7,-46.15 1,-46.15 1.2,-46.35 1.2,-47.65 1.1,-47.75 -0.9,-47.75 -2.1,-48.95 -4.6,-48.95 -6.1,-47.45 -6.1,-43.75 -5.4,-43.75
Vin on Top Layer "Top Layer-Vin 67" (solid, pour order 468): -11.6,-36.2 -12.7,-36.2 -20.1,-43.6 -20.1,-46.2 -18.6,-46.2 -18.6,-43.8 -13.5,-38.7 -11.6,-38.7
Vin on Top Layer "Top Layer-Vin 68" (solid, pour order 466): 2.4,-38.7 2.4,-34.9 1.7,-34.2 -1.6,-34.2 -2,-34.6 -2,-35.4 -1.6,-35.8 0.2,-35.8 0.9,-36.5 0.9,-38.4 1.2,-38.7
Vin on Top Layer "Top Layer-Vin 69" (solid, pour order 464): -18.6,-43.7 -18.6,-47.3 -18.1,-47.8 -16.4,-47.8 -14.7,-46.1 -13,-46.1 -12.8,-46.3 -12.8,-47.6 -12.9,-47.7 -14.9,-47.7 -16.1,-48.9 -18.6,-48.9 -20.1,-47.4 -20.1,-43.7 -19.4,-43.7
Vin on Top Layer "Top Layer-Vin 70" (solid, pour order 456): -25.6,-36.2 -26.7,-36.2 -34.1,-43.6 -34.1,-46.2 -32.6,-46.2 -32.6,-43.8 -27.5,-38.7 -25.6,-38.7
Vin on Top Layer "Top Layer-Vin 71" (solid, pour order 454): -11.6,-38.7 -11.6,-34.9 -12.3,-34.2 -15.6,-34.2 -16,-34.6 -16,-35.4 -15.6,-35.8 -13.8,-35.8 -13.1,-36.5 -13.1,-38.4 -12.8,-38.7
Vin on Top Layer "Top Layer-Vin 72" (solid, pour order 452): -32.6,-43.7 -32.6,-47.3 -32.1,-47.8 -30.4,-47.8 -28.7,-46.1 -27,-46.1 -26.8,-46.3 -26.8,-47.6 -26.9,-47.7 -28.9,-47.7 -30.1,-48.9 -32.6,-48.9 -34.1,-47.4 -34.1,-43.7 -33.4,-43.7
Vin on Top Layer "Top Layer-Vin 73" (solid, pour order 370): -46.6,-43.7 -46.6,-47.3 -46.1,-47.8 -44.4,-47.8 -42.7,-46.1 -41,-46.1 -40.8,-46.3 -40.8,-47.6 -40.9,-47.7 -42.9,-47.7 -44.1,-48.9 -46.6,-48.9 -48.1,-47.4 -48.1,-43.7 -47.4,-43.7
Vin on Top Layer "Top Layer-Vin 74" (solid, pour order 94): -25.6,-38.7 -25.6,-34.9 -26.3,-34.2 -29.6,-34.2 -30,-34.6 -30,-35.4 -29.6,-35.8 -27.8,-35.8 -27.1,-36.5 -27.1,-38.4 -26.8,-38.7
Vin on Top Layer "Top Layer-Vin 75" (solid, pour order 90): -39.6,-36.2 -40.7,-36.2 -48.1,-43.6 -48.1,-46.2 -46.6,-46.2 -46.6,-43.8 -41.5,-38.7 -39.6,-38.7
GND on Bottom Layer "GND_L02_P802" (solid, remove dead copper, pour order 802): -50,-50 -50,50 50,50 50,-50
Vin on Bottom Layer "Bottom Layer-Vin" (solid, pour order 788): -43.7,-30.8 -46.2,-30.8 -47.7,-29.3 -47.7,-27.1 -47.5,-26.9 -46.4,-26.9 -46.1,-27.2 -46.1,-29.1 -45.6,-29.6 -43.7,-29.6
Vin on Bottom Layer "Bottom Layer-Vin 1" (solid, pour order 782): -30.8,43.7 -30.8,46.2 -29.3,47.7 -27.1,47.7 -26.9,47.5 -26.9,46.4 -27.2,46.1 -29.1,46.1 -29.6,45.6 -29.6,43.7
Vin on Bottom Layer "Bottom Layer-Vin 2" (solid, pour order 776): 43.7,30.8 46.2,30.8 47.7,29.3 47.7,27.1 47.5,26.9 46.4,26.9 46.1,27.2 46.1,29.1 45.6,29.6 43.7,29.6
Vin on Bottom Layer "Bottom Layer-Vin 3" (solid, pour order 770): 30.8,-43.7 30.8,-46.2 29.3,-47.7 27.1,-47.7 26.9,-47.5 26.9,-46.4 27.2,-46.1 29.1,-46.1 29.6,-45.6 29.6,-43.7
Vin on Bottom Layer "Bottom Layer-Vin 4" (solid, pour order 758): -42.1,46.6 -42.1,47.9 -36.7,47.9 -36.2,47.4 -36.2,46.6
Vin on Bottom Layer "Bottom Layer-Vin 5" (solid, pour order 754): 46.6,42.1 47.9,42.1 47.9,36.7 47.4,36.2 46.6,36.2
Vin on Bottom Layer "Bottom Layer-Vin 6" (solid, pour order 750): 42.1,-46.6 42.1,-47.9 36.7,-47.9 36.2,-47.4 36.2,-46.6
Vin on Bottom Layer "Bottom Layer-Vin 7" (solid, pour order 742): -46.6,-42.1 -47.9,-42.1 -47.9,-36.7 -47.4,-36.2 -46.6,-36.2
Vin on Bottom Layer "Bottom Layer-Vin 8" (solid, pour order 738): -36.2,-23.4 -36.2,-22.3 -42.9,-15.6 -46.2,-15.6 -46.2,-16.5 -45.9,-16.8 -43.4,-16.8 -38.7,-21.5 -38.7,-23.4
Vin on Bottom Layer "Bottom Layer-Vin 9" (solid, pour order 736): -43.7,-16.8 -46.2,-16.8 -47.7,-15.3 -47.7,-13.1 -47.5,-12.9 -46.4,-12.9 -46.1,-13.2 -46.1,-15.1 -45.6,-15.6 -43.7,-15.6
Vin on Bottom Layer "Bottom Layer-Vin 10" (solid, pour order 734): -34.2,-23.4 -34.2,-28.1 -34.5,-28.4 -35.6,-28.4 -35.8,-28.2 -35.8,-24 -36.4,-23.4 -38.7,-23.4 -38.7,-22.2 -35.4,-22.2
Vin on Bottom Layer "Bottom Layer-Vin 11" (solid, pour order 726): -36.2,-9.4 -36.2,-8.3 -42.9,-1.6 -46.2,-1.6 -46.2,-2.5 -45.9,-2.8 -43.4,-2.8 -38.7,-7.5 -38.7,-9.4
Vin on Bottom Layer "Bottom Layer-Vin 12" (solid, pour order 724): -43.7,-2.8 -46.2,-2.8 -47.7,-1.3 -47.7,0.9 -47.5,1.1 -46.4,1.1 -46.1,0.8 -46.1,-1.1 -45.6,-1.6 -43.7,-1.6
Vin on Bottom Layer "Bottom Layer-Vin 13" (solid, pour order 722): -34.2,-9.4 -34.2,-14.1 -34.5,-14.4 -35.6,-14.4 -35.8,-14.2 -35.8,-10 -36.4,-9.4 -38.7,-9.4 -38.7,-8.2 -35.4,-8.2
Vin on Bottom Layer "Bottom Layer-Vin 14" (solid, pour order 714): -36.2,4.6 -36.2,5.7 -42.9,12.4 -46.2,12.4 -46.2,11.5 -45.9,11.2 -43.4,11.2 -38.7,6.5 -38.7,4.6
Vin on Bottom Layer "Bottom Layer-Vin 15" (solid, pour order 712): -43.7,11.2 -46.2,11.2 -47.7,12.7 -47.7,14.9 -47.5,15.1 -46.4,15.1 -46.1,14.8 -46.1,12.9 -45.6,12.4 -43.7,12.4
Vin on Bottom Layer "Bottom Layer-Vin 16" (solid, pour order 710): -34.2,4.6 -34.2,-0.1 -34.5,-0.4 -35.6,-0.4 -35.8,-0.2 -35.8,4 -36.4,4.6 -38.7,4.6 -38.7,5.8 -35.4,5.8
Vin on Bottom Layer "Bottom Layer-Vin 17" (solid, pour order 702): -36.2,18.6 -36.2,19.7 -42.9,26.4 -46.2,26.4 -46.2,25.5 -45.9,25.2 -43.4,25.2 -38.7,20.5 -38.7,18.6
Vin on Bottom Layer "Bottom Layer-Vin 18" (solid, pour order 700): -43.7,25.2 -46.2,25.2 -47.7,26.7 -47.7,28.9 -47.5,29.1 -46.4,29.1 -46.1,28.8 -46.1,26.9 -45.6,26.4 -43.7,26.4
Vin on Bottom Layer "Bottom Layer-Vin 19" (solid, pour order 698): -34.2,18.6 -34.2,13.9 -34.5,13.6 -35.6,13.6 -35.8,13.8 -35.8,18 -36.4,18.6 -38.7,18.6 -38.7,19.8 -35.4,19.8
Vin on Bottom Layer "Bottom Layer-Vin 20" (solid, pour order 690): -36.2,32.6 -36.2,33.7 -42.9,40.4 -46.2,40.4 -46.2,39.5 -45.9,39.2 -43.4,39.2 -38.7,34.5 -38.7,32.6
Vin on Bottom Layer "Bottom Layer-Vin 21" (solid, pour order 688): -43.7,39.2 -46.2,39.2 -47.7,40.7 -47.7,42.9 -47.5,43.1 -46.4,43.1 -46.1,42.8 -46.1,40.9 -45.6,40.4 -43.7,40.4
Vin on Bottom Layer "Bottom Layer-Vin 22" (solid, pour order 686): -34.2,32.6 -34.2,27.9 -34.5,27.6 -35.6,27.6 -35.8,27.8 -35.8,32 -36.4,32.6 -38.7,32.6 -38.7,33.8 -35.4,33.8
Vin on Bottom Layer "Bottom Layer-Vin 23" (solid, pour order 678): -23.4,36.2 -22.3,36.2 -15.6,42.9 -15.6,46.2 -16.5,46.2 -16.8,45.9 -16.8,43.4 -21.5,38.7 -23.4,38.7
Vin on Bottom Layer "Bottom Layer-Vin 24" (solid, pour order 676): -16.8,43.7 -16.8,46.2 -15.3,47.7 -13.1,47.7 -12.9,47.5 -12.9,46.4 -13.2,46.1 -15.1,46.1 -15.6,45.6 -15.6,43.7
Vin on Bottom Layer "Bottom Layer-Vin 25" (solid, pour order 674): -23.4,34.2 -28.1,34.2 -28.4,34.5 -28.4,35.6 -28.2,35.8 -24,35.8 -23.4,36.4 -23.4,38.7 -22.2,38.7 -22.2,35.4
Vin on Bottom Layer "Bottom Layer-Vin 26" (solid, pour order 666): -9.4,36.2 -8.3,36.2 -1.6,42.9 -1.6,46.2 -2.5,46.2 -2.8,45.9 -2.8,43.4 -7.5,38.7 -9.4,38.7
Vin on Bottom Layer "Bottom Layer-Vin 27" (solid, pour order 664): -2.8,43.7 -2.8,46.2 -1.3,47.7 0.9,47.7 1.1,47.5 1.1,46.4 0.8,46.1 -1.1,46.1 -1.6,45.6 -1.6,43.7
Vin on Bottom Layer "Bottom Layer-Vin 28" (solid, pour order 662): -9.4,34.2 -14.1,34.2 -14.4,34.5 -14.4,35.6 -14.2,35.8 -10,35.8 -9.4,36.4 -9.4,38.7 -8.2,38.7 -8.2,35.4
Vin on Bottom Layer "Bottom Layer-Vin 29" (solid, pour order 654): 4.6,36.2 5.7,36.2 12.4,42.9 12.4,46.2 11.5,46.2 11.2,45.9 11.2,43.4 6.5,38.7 4.6,38.7
Vin on Bottom Layer "Bottom Layer-Vin 30" (solid, pour order 652): 11.2,43.7 11.2,46.2 12.7,47.7 14.9,47.7 15.1,47.5 15.1,46.4 14.8,46.1 12.9,46.1 12.4,45.6 12.4,43.7
Vin on Bottom Layer "Bottom Layer-Vin 31" (solid, pour order 650): 4.6,34.2 -0.1,34.2 -0.4,34.5 -0.4,35.6 -0.2,35.8 4,35.8 4.6,36.4 4.6,38.7 5.8,38.7 5.8,35.4
Vin on Bottom Layer "Bottom Layer-Vin 32" (solid, pour order 642): 18.6,36.2 19.7,36.2 26.4,42.9 26.4,46.2 25.5,46.2 25.2,45.9 25.2,43.4 20.5,38.7 18.6,38.7
Vin on Bottom Layer "Bottom Layer-Vin 33" (solid, pour order 640): 25.2,43.7 25.2,46.2 26.7,47.7 28.9,47.7 29.1,47.5 29.1,46.4 28.8,46.1 26.9,46.1 26.4,45.6 26.4,43.7
Vin on Bottom Layer "Bottom Layer-Vin 34" (solid, pour order 638): 18.6,34.2 13.9,34.2 13.6,34.5 13.6,35.6 13.8,35.8 18,35.8 18.6,36.4 18.6,38.7 19.8,38.7 19.8,35.4
Vin on Bottom Layer "Bottom Layer-Vin 35" (solid, pour order 630): 32.6,36.2 33.7,36.2 40.4,42.9 40.4,46.2 39.5,46.2 39.2,45.9 39.2,43.4 34.5,38.7 32.6,38.7
Vin on Bottom Layer "Bottom Layer-Vin 36" (solid, pour order 628): 39.2,43.7 39.2,46.2 40.7,47.7 42.9,47.7 43.1,47.5 43.1,46.4 42.8,46.1 40.9,46.1 40.4,45.6 40.4,43.7
Vin on Bottom Layer "Bottom Layer-Vin 37" (solid, pour order 626): 32.6,34.2 27.9,34.2 27.6,34.5 27.6,35.6 27.8,35.8 32,35.8 32.6,36.4 32.6,38.7 33.8,38.7 33.8,35.4
Vin on Bottom Layer "Bottom Layer-Vin 38" (solid, pour order 618): 36.2,23.4 36.2,22.3 42.9,15.6 46.2,15.6 46.2,16.5 45.9,16.8 43.4,16.8 38.7,21.5 38.7,23.4
Vin on Bottom Layer "Bottom Layer-Vin 39" (solid, pour order 616): 43.7,16.8 46.2,16.8 47.7,15.3 47.7,13.1 47.5,12.9 46.4,12.9 46.1,13.2 46.1,15.1 45.6,15.6 43.7,15.6
Vin on Bottom Layer "Bottom Layer-Vin 40" (solid, pour order 614): 34.2,23.4 34.2,28.1 34.5,28.4 35.6,28.4 35.8,28.2 35.8,24 36.4,23.4 38.7,23.4 38.7,22.2 35.4,22.2
Vin on Bottom Layer "Bottom Layer-Vin 41" (solid, pour order 606): 36.2,9.4 36.2,8.3 42.9,1.6 46.2,1.6 46.2,2.5 45.9,2.8 43.4,2.8 38.7,7.5 38.7,9.4
Vin on Bottom Layer "Bottom Layer-Vin 42" (solid, pour order 604): 43.7,2.8 46.2,2.8 47.7,1.3 47.7,-0.9 47.5,-1.1 46.4,-1.1 46.1,-0.8 46.1,1.1 45.6,1.6 43.7,1.6
Vin on Bottom Layer "Bottom Layer-Vin 43" (solid, pour order 602): 34.2,9.4 34.2,14.1 34.5,14.4 35.6,14.4 35.8,14.2 35.8,10 36.4,9.4 38.7,9.4 38.7,8.2 35.4,8.2
Vin on Bottom Layer "Bottom Layer-Vin 44" (solid, pour order 594): 36.2,-4.6 36.2,-5.7 42.9,-12.4 46.2,-12.4 46.2,-11.5 45.9,-11.2 43.4,-11.2 38.7,-6.5 38.7,-4.6
Vin on Bottom Layer "Bottom Layer-Vin 45" (solid, pour order 592): 43.7,-11.2 46.2,-11.2 47.7,-12.7 47.7,-14.9 47.5,-15.1 46.4,-15.1 46.1,-14.8 46.1,-12.9 45.6,-12.4 43.7,-12.4
Vin on Bottom Layer "Bottom Layer-Vin 46" (solid, pour order 590): 34.2,-4.6 34.2,0.1 34.5,0.4 35.6,0.4 35.8,0.2 35.8,-4 36.4,-4.6 38.7,-4.6 38.7,-5.8 35.4,-5.8
Vin on Bottom Layer "Bottom Layer-Vin 47" (solid, pour order 582): 36.2,-18.6 36.2,-19.7 42.9,-26.4 46.2,-26.4 46.2,-25.5 45.9,-25.2 43.4,-25.2 38.7,-20.5 38.7,-18.6